# KiCad board N2360.kicad_pcb
title: Amiga N2630; date: 2023-11-05; rev: 4.0.1b
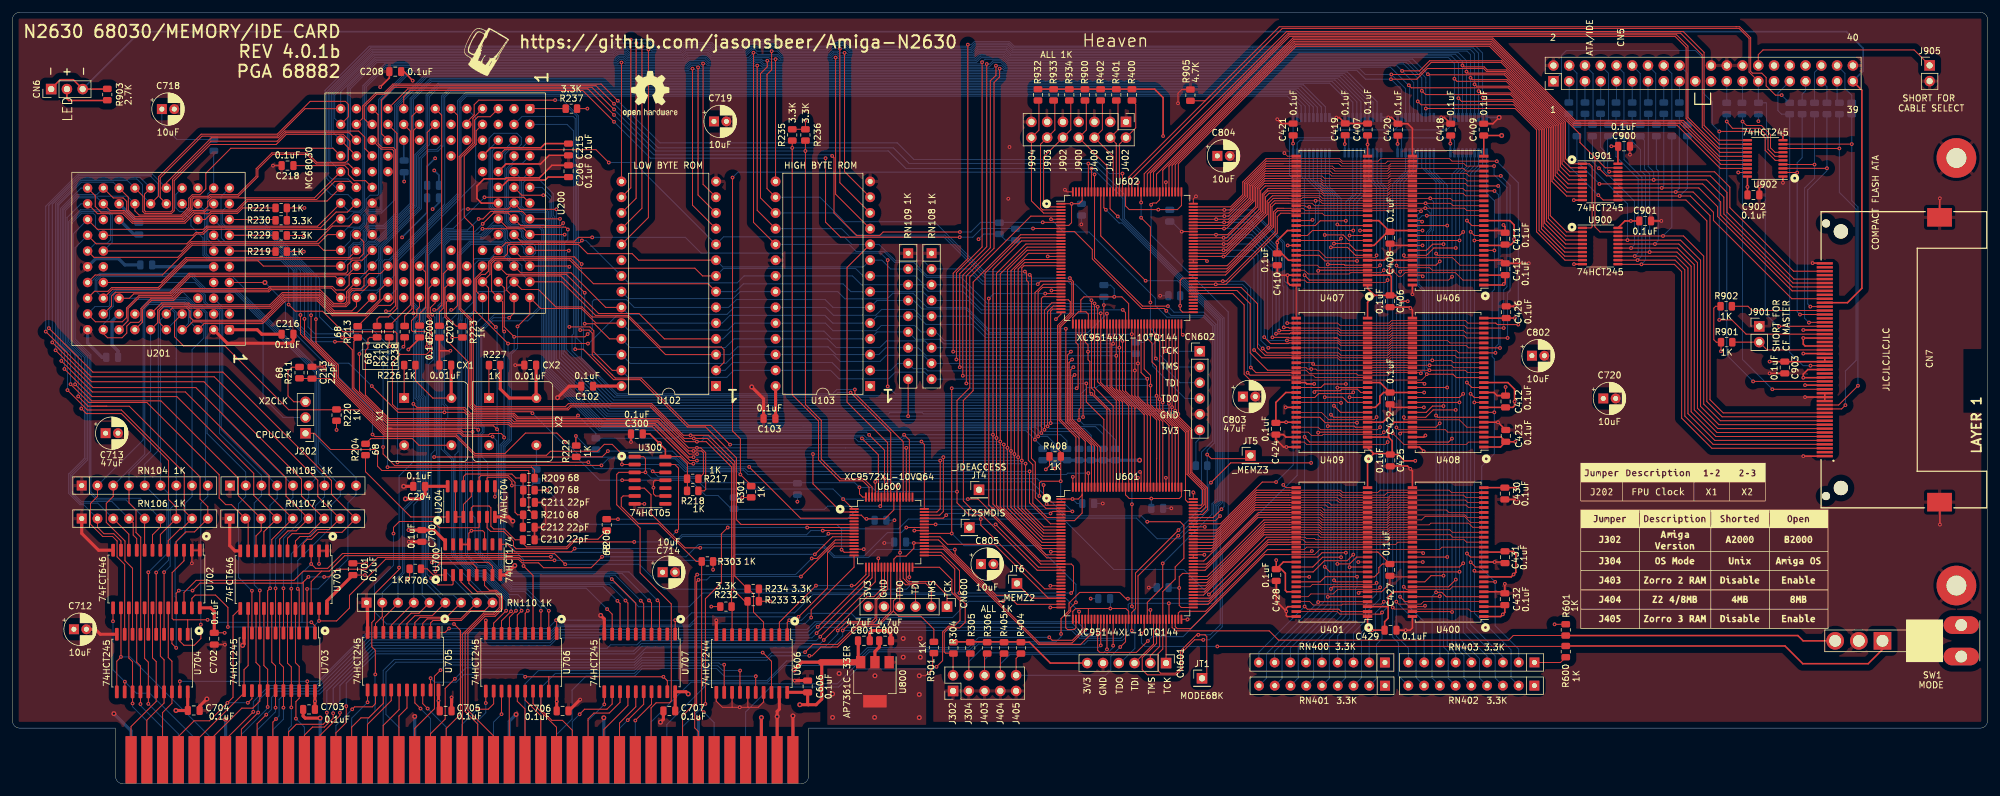
[diagram p0: board, top side]
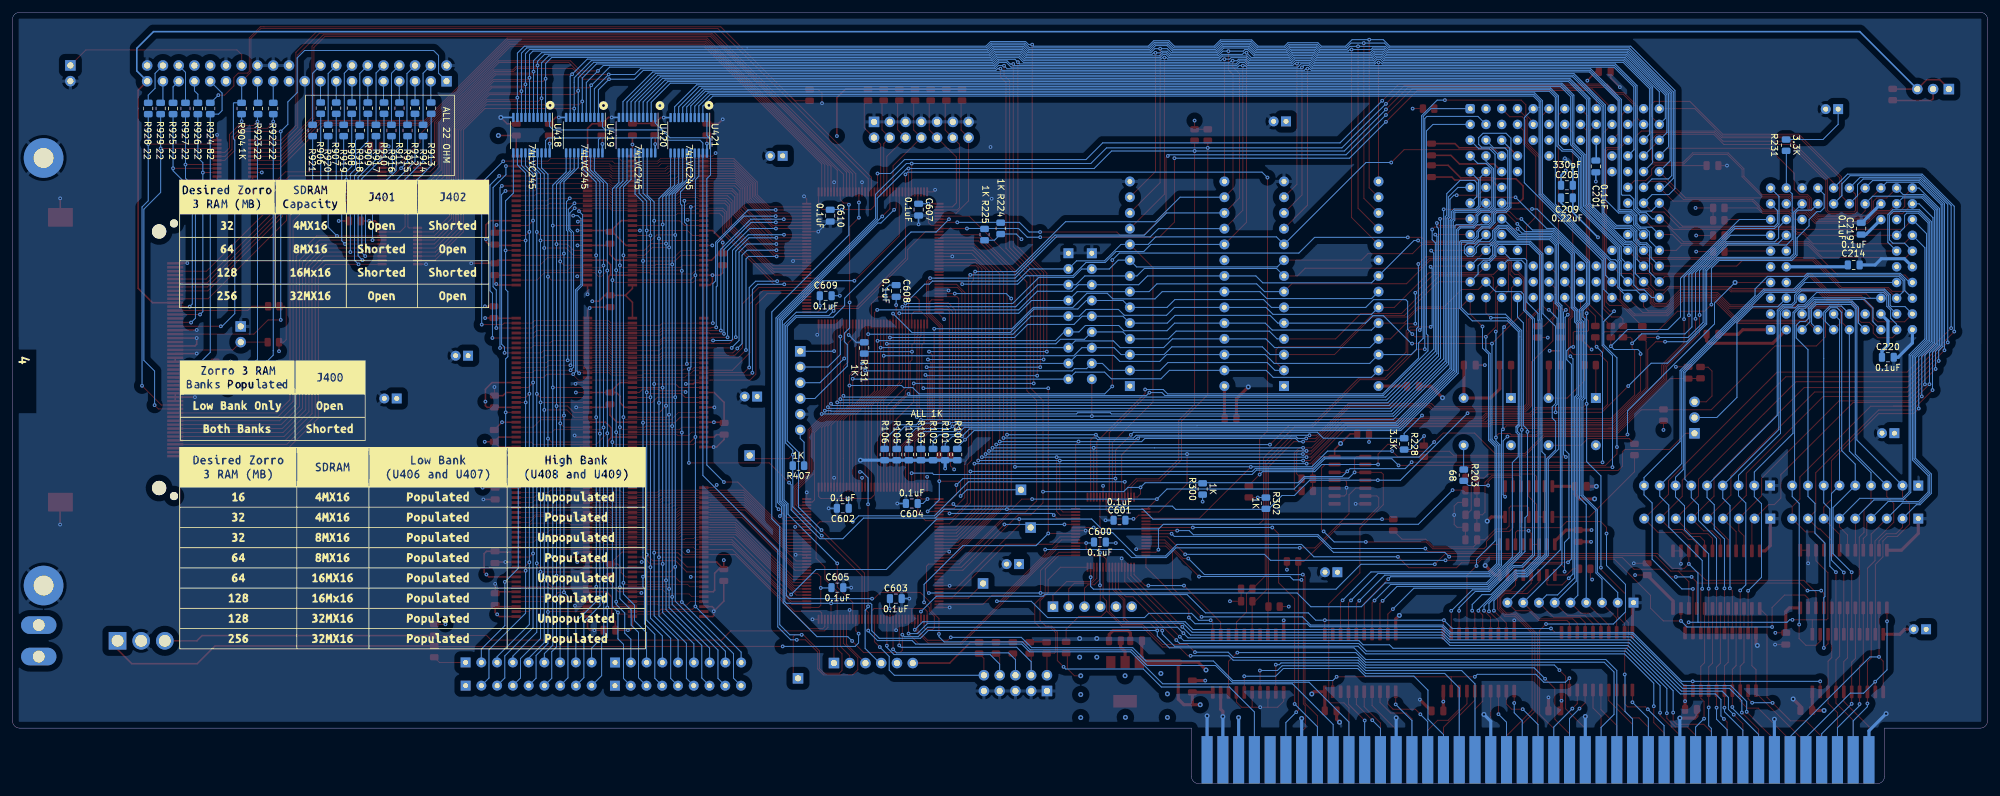
[diagram p1: board, bottom side, seen from below]

Outline 318.37 x 124.46 mm; copper layers: Top, In1.Cu, In2.Cu, Bottom. Coordinates in mm from the lower left corner of the outline.
Outline path: 0,123.32 0.02,10.1 arc(0.35,9.29) 1.16,8.96 16.63,8.96 16.63,1.14 arc(16.96,0.33) 17.77,0 127.17,0 arc(127.98,0.33) 128.31,1.14 128.31,8.96 317.21,8.96 arc(318.01,9.29) 318.35,10.1 318.37,123.32 arc(318.03,124.12) 317.23,124.46 1.14,124.46 arc(0.33,124.12) 0,123.32
Stack: Top 0.035mm / dielectric 0.48mm FR4 er 4.5 / In1.Cu 0.035mm / dielectric 0.48mm FR4 er 4.5 / In2.Cu 0.035mm / dielectric 0.48mm FR4 er 4.5 / Bottom 0.035mm

## Placement (name value [footprint] x y rotation side)
C102  0.1uF  [C_0805_2012Metric]  92.63 64.13 180 top
C103  0.1uF  [C_0805_2012Metric]  122.02 58.9 180 top
C200  0.1uF  [C_0805_2012Metric]  65.63 72.95 270 top
C201  0.1uF  [C_0805_2012Metric]  63.14 99.6 90 bottom
C202  0.1uF  [C_0805_2012Metric]  68.83 72.92 270 top
C204  0.1uF  [C_0805_2012Metric]  65.55 47.97 180 top
C205  330pF  [C_0805_2012Metric]  67.8 96.56 180 bottom
C206  0.1uF  [C_0805_2012Metric]  89.63 102.33 270 top
C208  0.1uF  [C_0805_2012Metric]  61.7 114.9 180 top
C209  0.22uF  [C_0805_2012Metric]  67.8 94.52 180 bottom
C210  22pF  [C_0805_2012Metric]  83.22 39.34 0 top
C211  22pF  [C_0805_2012Metric]  83.26 45.38 0 top
C212  22pF  [C_0805_2012Metric]  83.22 41.37 0 top
C213  22pF  [C_0805_2012Metric]  48.29 66.31 90 top
C214  0.1uF  [C_0805_2012Metric]  21.57 83.7 180 bottom
C215  0.1uF  [C_0805_2012Metric]  89.64 98.83 90 top
C216  0.1uF  [C_0805_2012Metric]  44.34 72.52 0 top
C218  0.1uF  [C_0805_2012Metric]  44.35 99.74 180 top
C219  0.1uF  [C_0805_2012Metric]  20.37 89.55 90 bottom
C220  0.1uF  [C_0805_2012Metric]  16.07 68.8 180 bottom
C300  0.1uF  [C_0805_2012Metric]  100.66 56.44 180 top
C406  0.1uF  [C_0805_2012Metric]  222.05 77.84 270 top
C407  0.1uF  [C_0805_2012Metric]  218.43 105.57 90 top
C408  0.1uF  [C_0805_2012Metric]  222.05 88.09 270 top
C409  0.1uF  [C_0805_2012Metric]  237.15 105.54 90 top
C410  0.1uF  [C_0805_2012Metric]  203.88 84.61 270 top
C411  0.1uF  [C_0805_2012Metric]  240.6 87.94 90 top
C412  0.1uF  [C_0805_2012Metric]  240.68 61.67 90 top
C413  0.1uF  [C_0805_2012Metric]  240.63 83.02 90 top
C418  0.1uF  [C_0805_2012Metric]  231.83 105.54 90 top
C419  0.1uF  [C_0805_2012Metric]  214.83 105.59 90 top
C420  0.1uF  [C_0805_2012Metric]  223.33 105.54 90 top
C421  0.1uF  [C_0805_2012Metric]  206.43 105.57 90 top
C422  0.1uF  [C_0805_2012Metric]  222.05 62.17 270 top
C423  0.1uF  [C_0805_2012Metric]  240.7 56.12 90 top
C424  0.1uF  [C_0805_2012Metric]  203.65 57.27 270 top
C425  0.1uF  [C_0805_2012Metric]  222.08 52.16 270 top
C426  0.1uF  [C_0805_2012Metric]  240.77 76.08 90 top
C427  0.1uF  [C_0805_2012Metric]  222.03 34.49 270 top
C428  0.1uF  [C_0805_2012Metric]  203.71 33.66 270 top
C429  0.1uF  [C_0805_2012Metric]  222.13 24.76 0 top
C430  0.1uF  [C_0805_2012Metric]  240.56 46.81 270 top
C431  0.1uF  [C_0805_2012Metric]  240.58 36.54 270 top
C432  0.1uF  [C_0805_2012Metric]  240.56 29.76 90 top
C600  0.1uF  [C_0805_2012Metric]  143.08 38.98 180 bottom
C601  0.1uF  [C_0805_2012Metric]  139.92 42.5 0 bottom
C602  0.1uF  [C_0805_2012Metric]  184.52 44.43 0 bottom
C603  0.1uF  [C_0805_2012Metric]  175.97 29.85 180 bottom
C604  0.1uF  [C_0805_2012Metric]  173.4 45.2 0 bottom
C605  0.1uF  [C_0805_2012Metric]  185.4 31.63 180 bottom
C606  0.1uF  [C_0805_2012Metric]  128.18 15.68 90 top
C607  0.1uF  [C_0805_2012Metric]  172.3 92.63 270 bottom
C608  0.1uF  [C_0805_2012Metric]  175.92 79.5 270 bottom
C609  0.1uF  [C_0805_2012Metric]  187.27 78.73 180 bottom
C610  0.1uF  [C_0805_2012Metric]  186.55 91.65 270 bottom
C700  0.1uF  [C_0805_2012Metric]  65.99 39.97 270 top
C701  0.1uF  [C_0805_2012Metric]  54.87 34.6 90 top
C702  0.1uF  [C_0805_2012Metric]  32.53 23.38 270 top
C703  0.1uF  [C_0805_2012Metric]  47.81 11.97 180 top
C704  0.1uF  [C_0805_2012Metric]  29.23 11.8 0 top
C705  0.1uF  [C_0805_2012Metric]  69.83 11.74 0 top
C706  0.1uF  [C_0805_2012Metric]  88.68 11.74 0 top
C707  0.1uF  [C_0805_2012Metric]  105.88 11.74 180 top
C712  10uF  [CP_Radial_D5.0mm_P2.00mm]  9.92 24.91 0 top
C713  47uF  [CP_Radial_D5.0mm_P2.00mm]  15.02 56.55 0 top
C714  10uF  [CP_Radial_D5.0mm_P2.00mm]  104.8 34.11 0 top
C718  10uF  [CP_Radial_D5.0mm_P2.00mm]  24.09 108.85 0 top
C719  10uF  [CP_Radial_D5.0mm_P2.00mm]  113.08 106.86 0 top
C720  10uF  [CP_Radial_D5.0mm_P2.00mm]  256.42 62.15 0 top
C800  4.7uF  [C_0805_2012Metric]  140.66 23.06 0 top
C801  4.7uF  [C_0805_2012Metric]  137.25 23.06 0 top
C802  10uF  [CP_Radial_D5.0mm_P2.00mm]  244.92 69.05 0 top
C803  47uF  [CP_Radial_D5.0mm_P2.00mm]  198.33 62.46 0 top
C804  10uF  [CP_Radial_D5.0mm_P2.00mm]  194.22 101.3 0 top
C805  10uF  [CP_Radial_D5.0mm_P2.00mm]  156.12 35.42 0 top
C900  0.1uF  [C_0805_2012Metric]  259.77 102.85 0 top
C901  0.1uF  [C_0805_2012Metric]  263.17 90.8 0 top
C902  0.1uF  [C_0805_2012Metric]  280.62 95 0 top
C903  0.1uF  [C_0805_2012Metric]  285.67 67.15 270 top
CJ1  CONFIG  [PinHeader_2x05_P2.54mm_Vertical]  151.62 14.95 90 top
CJ2  CONFIG  [PinHeader_2x07_P2.54mm_Vertical]  179.49 106.79 270 top
CN5  ATA/IDE  [ATA_Header_2x20_P2.54mm]  248.39 113.35 90 top
CN6  LED  [PinHeader_1x03_P2.54mm_Vertical]  6.25 112.08 90 top
CN7  COMPACT FLASH ATA  [COMPACT-FLASH-SLOT]  304.87 68.4 270 top
CN600  CPLD0  [PinHeader_1x06_P2.54mm_Vertical]  150.65 28.55 270 top
CN601  CPLD1  [PinHeader_1x06_P2.54mm_Vertical]  185.95 19.45 270 top
CN602  CPLD2  [PinHeader_1x06_P2.54mm_Vertical]  191.38 69.77 0 top
CN700  Amiga-2000-CPU-Slot  [A2000_CPUSLOT_MALE]  125.8 3.85 0 top
CX1  0.01uF  [C_0805_2012Metric]  69.77 67.54 180 top
CX2  0.01uF  [C_0805_2012Metric]  83.46 67.54 180 top
G***  LOGO  [Jumper1]  272.72 34.6 0 top
G***#2  LOGO  [Jumper2]  267.67 48.7 0 top
G***#3  LOGO  [Mug]  75.85 118.53 0 top
G***#4  LOGO  [RAMCONFIG]  253.87 38 180 bottom
G***#5  LOGO  [Z3RAM-JUMPER]  266.57 87.1 180 bottom
G***#6  LOGO  [BANKCONFIG]  276.47 61.8 180 bottom
H1  MountingHole  [MountingHole_3.2mm_M3_Pad]  313.34 100.96 0 top
H2  MountingHole  [MountingHole_3.2mm_M3_Pad]  313.34 31.96 0 top
J202  25/FPU  [PinHeader_1x03_P2.54mm_Vertical]  47.24 56.53 180 top
J901  CF SEL  [PinHeader_1x02_P2.54mm_Vertical]  281.57 73.78 0 top
J905  CABLE SELECT  [PinHeader_1x02_P2.54mm_Vertical]  309.02 115.9 0 top
JT1  MODE68K  [PinHeader_1x01_P2.54mm_Vertical]  191.74 16.99 0 top
JT2  SMDIS  [PinHeader_1x01_P2.54mm_Vertical]  154.24 41.32 0 top
JT4  _IDEACCESS  [PinHeader_1x01_P2.54mm_Vertical]  155.8 47.41 0 top
JT5  _MEMZ3  [PinHeader_1x01_P2.54mm_Vertical]  199.54 52.94 0 top
JT6  _MEMZ2  [PinHeader_1x01_P2.54mm_Vertical]  161.91 32.3 0 top
R100  1K  [R_0805_2012Metric]  166.07 53.1 270 bottom
R101  1K  [R_0805_2012Metric]  168.02 53.1 270 bottom
R102  1K  [R_0805_2012Metric]  169.97 53.1 270 bottom
R103  1K  [R_0805_2012Metric]  171.92 53.1 270 bottom
R104  1K  [R_0805_2012Metric]  173.87 53.1 270 bottom
R105  1K  [R_0805_2012Metric]  175.82 53.1 270 bottom
R106  1K  [R_0805_2012Metric]  177.77 53.1 270 bottom
R131  1K  [R_0805_2012Metric]  181.07 70.3 90 bottom
R203  68  [R_0805_2012Metric]  84.43 49.77 90 bottom
R204  68  [R_0805_2012Metric]  56.92 53.92 90 top
R206  68  [R_0805_2012Metric]  95.79 41.76 90 top
R207  68  [R_0805_2012Metric]  83.26 47.36 180 top
R209  68  [R_0805_2012Metric]  83.26 49.32 180 top
R210  68  [R_0805_2012Metric]  83.23 43.38 180 top
R211  68  [R_0805_2012Metric]  46.27 66.32 270 top
R212  68  [R_0805_2012Metric]  60.73 72.94 90 top
R213  68  [R_0805_2012Metric]  55.66 72.91 90 top
R216  68  [R_0805_2012Metric]  58.78 72.94 270 top
R217  1K  [R_0805_2012Metric]  109.65 49.2 180 top
R218  1K  [R_0805_2012Metric]  109.65 47.24 180 top
R219  1K  [R_0805_2012Metric]  43.32 85.85 0 top
R220  1K  [R_0805_2012Metric]  52.24 59.47 270 top
R221  1K  [R_0805_2012Metric]  43.32 92.9 180 top
R222  1K  [R_0805_2012Metric]  90.88 53.64 90 top
R223  1K  [R_0805_2012Metric]  72.53 72.9 270 top
R224  1K  [R_0805_2012Metric]  159.07 89.6 270 bottom
R225  1K  [R_0805_2012Metric]  161.67 88.6 270 bottom
R226  1K  [R_0805_2012Metric]  64.06 67.54 180 top
R227  1K  [R_0805_2012Metric]  77.72 67.54 180 top
R228  3.3K  [R_0805_2012Metric]  94.04 54.82 270 bottom
R229  3.3K  [R_0805_2012Metric]  43.32 88.45 0 top
R230  3.3K  [R_0805_2012Metric]  43.32 90.9 0 top
R231  3.3K  [R_0805_2012Metric]  32.47 103.03 90 bottom
R232  3.3K  [R_0805_2012Metric]  115 28.56 180 top
R233  3.3K  [R_0805_2012Metric]  119.41 29.43 0 top
R234  3.3K  [R_0805_2012Metric]  119.41 31.43 0 top
R235  3.3K  [R_0805_2012Metric]  125.69 104.68 90 top
R236  3.3K  [R_0805_2012Metric]  127.82 104.68 90 top
R237  3.3K  [R_0805_2012Metric]  90.1 108.93 0 top
R238  68  [R_0805_2012Metric]  63.22 72.94 90 top
R300  1K  [R_0805_2012Metric]  126.52 47.55 90 bottom
R301  1K  [R_0805_2012Metric]  119.07 47.1 90 top
R302  1K  [R_0805_2012Metric]  116.32 45.25 270 bottom
R303  1K  [R_0805_2012Metric]  112.02 35.85 180 top
R304  1K  [R_0805_2012Metric]  151.67 21.9 270 top
R305  1K  [R_0805_2012Metric]  154.39 21.9 270 top
R306  1K  [R_0805_2012Metric]  157.11 21.9 270 top
R400  1K  [R_0805_2012Metric]  180.45 111.15 270 top
R401  1K  [R_0805_2012Metric]  177.93 111.15 270 top
R402  1K  [R_0805_2012Metric]  175.4 111.15 270 top
R404  1K  [R_0805_2012Metric]  162.55 21.9 270 top
R405  1K  [R_0805_2012Metric]  159.83 21.9 270 top
R407  1K  [R_0805_2012Metric]  191.67 51.3 0 bottom
R408  1K  [R_0805_2012Metric]  168.07 52.8 0 top
R501  1K  [R_0805_2012Metric]  148.52 21.96 90 top
R600  1K  [R_0805_2012Metric]  250.37 21.3 90 top
R601  1K  [R_0805_2012Metric]  250.37 24.8 270 top
R706  1K  [R_0805_2012Metric]  64.94 34.66 0 top
R900  1K  [R_0805_2012Metric]  172.88 111.15 270 top
R901  1K  [R_0805_2012Metric]  276.31 71.24 0 top
R902  1K  [R_0805_2012Metric]  276.24 77.04 0 top
R903  2.7K  [R_0805_2012Metric]  15.29 111.2 90 top
R904  1K  [R_0805_2012Metric]  281.42 108.95 90 bottom
R905  4.7K  [R_0805_2012Metric]  189.87 111.1 270 top
R906  22  [R_0805_2012Metric]  268.67 109 90 bottom
R907  22  [R_0805_2012Metric]  266.17 109 90 bottom
R908  22  [R_0805_2012Metric]  263.67 109 90 bottom
R909  22  [R_0805_2012Metric]  261.07 109 90 bottom
R910  22  [R_0805_2012Metric]  258.47 109 90 bottom
R911  22  [R_0805_2012Metric]  255.97 109 90 bottom
R912  22  [R_0805_2012Metric]  253.47 109 90 bottom
R913  22  [R_0805_2012Metric]  250.87 109 90 bottom
R914  22  [R_0805_2012Metric]  252.17 105.4 270 bottom
R915  22  [R_0805_2012Metric]  254.67 105.4 270 bottom
R916  22  [R_0805_2012Metric]  257.27 105.4 270 bottom
R917  22  [R_0805_2012Metric]  259.77 105.4 270 bottom
R918  22  [R_0805_2012Metric]  262.37 105.4 270 bottom
R919  22  [R_0805_2012Metric]  264.97 105.4 270 bottom
R920  22  [R_0805_2012Metric]  267.47 105.4 270 bottom
R921  22  [R_0805_2012Metric]  269.97 105.4 270 bottom
R922  22  [R_0805_2012Metric]  276.32 108.95 90 bottom
R923  22  [R_0805_2012Metric]  278.77 108.95 90 bottom
R924  82  [R_0805_2012Metric]  286.47 108.95 270 bottom
R925  22  [R_0805_2012Metric]  292.47 108.95 90 bottom
R926  22  [R_0805_2012Metric]  288.47 108.95 90 bottom
R927  22  [R_0805_2012Metric]  290.47 108.95 270 bottom
R928  22  [R_0805_2012Metric]  294.47 108.95 90 bottom
R929  22  [R_0805_2012Metric]  296.47 108.95 270 bottom
R932  1K  [R_0805_2012Metric]  165.3 111.15 270 top
R933  1K  [R_0805_2012Metric]  167.83 111.15 270 top
R934  1K  [R_0805_2012Metric]  170.35 111.15 270 top
REF**  -  [OSHW-Logo2_9.8x8mm_SilkScreen]  102.79 111.29 0 top
RN104  1K  [R_Array_SIP9]  11.17 48.1 0 top
RN105  1K  [R_Array_SIP9]  35.06 48.1 0 top
RN106  1K  [R_Array_SIP9]  11.17 42.77 0 top
RN107  1K  [R_Array_SIP9]  35.02 42.77 0 top
RN108  1K  [R_Array_SIP9]  148.15 85.59 270 top
RN109  1K  [R_Array_SIP9]  144.38 85.59 270 top
RN110  1K  [R_Array_SIP9]  57.07 29.2 0 top
RN400  3.3K  [R_Array_SIP9]  221.23 19.54 180 top
RN401  3.3K  [R_Array_SIP9]  221.25 15.8 180 top
RN402  3.3K  [R_Array_SIP9]  245.32 15.81 180 top
RN403  3.3K  [R_Array_SIP9]  245.33 19.55 180 top
SW1  MODE  [100SP1T1B1M7QE]  314.12 23.04 180 top
U102  27C256  [DIP-28_W15.24mm]  113.41 64.15 180 top
U103  27C256  [DIP-28_W15.24mm]  138.25 64.15 180 top
U200  MC68030  [MC68030-PGA]  68.15 93.68 90 top
U201  MC68882  [MC68882-PGA]  23.55 84.68 0 top
U204  74AHCT04  [SOIC-14_3.9x8.7mm_P1.27mm]  73.96 45.51 90 top
U300  74HCT05  [SOIC-14_3.9x8.7mm_P1.27mm]  102.77 48.95 0 top
U400  SDRAM(4Mx16)  [TSOP-II-54_22.2x10.16mm_P0.8mm]  231.41 37.36 180 top
U401  SDRAM(4Mx16)  [TSOP-II-54_22.2x10.16mm_P0.8mm]  212.68 37.36 180 top
U406  SDRAM(16Mx16)  [TSOP-II-54_22.2x10.16mm_P0.8mm]  231.41 90.86 180 top
U407  SDRAM(16Mx16)  [TSOP-II-54_22.2x10.16mm_P0.8mm]  212.68 90.86 180 top
U408  SDRAM(16Mx16)  [TSOP-II-54_22.2x10.16mm_P0.8mm]  231.41 64.72 180 top
U409  SDRAM(16Mx16)  [TSOP-II-54_22.2x10.16mm_P0.8mm]  212.68 64.72 180 top
U418  74LVC245  [TSSOP-20_4.4x6.5mm_P0.65mm]  234.7 104.65 270 bottom
U419  74LVC245  [TSSOP-20_4.4x6.5mm_P0.65mm]  226.19 104.65 270 bottom
U420  74LVC245  [TSSOP-20_4.4x6.5mm_P0.65mm]  217.68 104.65 270 bottom
U421  74LVC245  [TSSOP-20_4.4x6.5mm_P0.65mm]  209.35 104.62 270 bottom
U600  XC9572XL-10VQ64  [TQFP-64_10x10mm_P0.5mm]  141.32 40.58 0 top
U601  XC95144XL-10TQ144  [TQFP-144_20x20mm_P0.5mm]  179.67 37.18 0 top
U602  XC95144XL-10TQ144  [TQFP-144_20x20mm_P0.5mm]  179.67 84.83 0 top
U606  74HCT244  [SOIC-20W_7.5x12.8mm_P1.27mm]  119.17 19.37 270 top
U700  74HCT174  [SOIC-16_3.9x9.9mm_P1.27mm]  74.2 36.14 90 top
U701  74FCT646  [SOIC-24W_7.5x15.4mm_P1.27mm]  43.71 32.91 270 top
U702  74FCT646  [SOIC-24W_7.5x15.4mm_P1.27mm]  23.21 33.01 270 top
U703  74HCT245  [SOIC-20W_7.5x12.8mm_P1.27mm]  43.05 19.65 270 top
U704  74HCT245  [SOIC-20W_7.5x12.8mm_P1.27mm]  22.54 19.45 270 top
U705  74HCT245  [SOIC-20W_7.5x12.8mm_P1.27mm]  62.96 19.75 270 top
U706  74HCT245  [SOIC-20W_7.5x12.8mm_P1.27mm]  82.01 19.58 270 top
U707  74HCT245  [SOIC-20W_7.5x12.8mm_P1.27mm]  101.11 19.48 270 top
U800  AP7361C-33ER  [SOT-223-3_TabPin2]  139.02 16.44 270 top
U900  74HCT245  [TSSOP-20_4.4x6.5mm_P0.65mm]  255.92 86.75 0 top
U901  74HCT245  [TSSOP-20_4.4x6.5mm_P0.65mm]  255.92 97.1 0 top
U902  74HCT245  [TSSOP-20_4.4x6.5mm_P0.65mm]  282.52 100.9 180 top
X1  25MHz  [Oscillator_DIP-8]  63.14 62.22 270 top
X2  50MHz  [Oscillator_DIP-8]  76.83 62.22 270 top

## Library data of the parts
CN7 = -: DATASHEET-URL: https://www.we-online.com/catalog/datasheet/693120035011.pdf; GERDER: Socket; IR: 0.5A; MOUNT: SMT; PART-NUMBER: 693120035011; PINS: 50; TYPE: Shrouded; WORKING-VOLTAGE: 100V(AC)
SW1 = -: PART: 100SP1T1B1M7QE
U204 = -: Digikey: 296-31832-1-ND
U701 U702 = -: Digikey: 296-33244-5-ND
X1 X2 = -: Digikey: 535-9175-5-ND

## Footprints (pads in the part's own frame, mm; a bottom-side part is the same pattern mirrored in y, then rotated)
100SP1T1B1M7QE
  rect 2.85x2.85 hole 1.9: 1(12.7,0)
  round 2.85 hole 1.9: 2(16.51,0) 3(20.32,0)
  oval 5.7x2.85 hole 1.9: 4(0,2.54) 5(0,-2.54)
A2000_CPUSLOT_MALE
  rect 1.78x7.62 smd far side: 1(0,0) 3(-2.54,0) 5(-5.08,0) 7(-7.62,0) 9(-10.16,0) 11(-12.7,0) 13(-15.24,0) 15(-17.78,0) 17(-20.32,0) 19(-22.86,0) 21(-25.4,0) 23(-27.94,0) 25(-30.48,0) 27(-33.02,0) 29(-35.56,0) 31(-38.1,0) 33(-40.64,0) 35(-43.18,0) 37(-45.72,0) 39(-48.26,0) 41(-50.8,0) 43(-53.34,0) 45(-55.88,0) 47(-58.42,0) 49(-60.96,0) 51(-63.5,0) 53(-66.04,0) 55(-68.58,0) 57(-71.12,0) 59(-73.66,0) 61(-76.2,0) 63(-78.74,0) 65(-81.28,0) 67(-83.82,0) 69(-86.36,0) 71(-88.9,0) 73(-91.44,0) 75(-93.98,0) 77(-96.52,0) 79(-99.06,0) 81(-101.6,0) 83(-104.14,0) 85(-106.68,0)
  rect 1.78x7.62 smd: 2(0,0) 4(-2.54,0) 6(-5.08,0) 8(-7.62,0) 10(-10.16,0) 12(-12.7,0) 14(-15.24,0) 16(-17.78,0) 18(-20.32,0) 20(-22.86,0) 22(-25.4,0) 24(-27.94,0) 26(-30.48,0) 28(-33.02,0) 30(-35.56,0) 32(-38.1,0) 34(-40.64,0) 36(-43.18,0) 38(-45.72,0) 40(-48.26,0) 42(-50.8,0) 44(-53.34,0) 46(-55.88,0) 48(-58.42,0) 50(-60.96,0) 52(-63.5,0) 54(-66.04,0) 56(-68.58,0) 58(-71.12,0) 60(-73.66,0) 62(-76.2,0) 64(-78.74,0) 66(-81.28,0) 68(-83.82,0) 70(-86.36,0) 72(-88.9,0) 74(-91.44,0) 76(-93.98,0) 78(-96.52,0) 80(-99.06,0) 82(-101.6,0) 84(-104.14,0) 86(-106.68,0)
ATA_Header_2x20_P2.54mm
  rect 1.7x1.7 hole 1: 1(0,0)
  oval 1.7x1.7 hole 1: 2(2.54,0) 3(0,-2.54) 4(2.54,-2.54) 5(0,-5.08) 6(2.54,-5.08) 7(0,-7.62) 8(2.54,-7.62) 9(0,-10.16) 10(2.54,-10.16) 11(0,-12.7) 12(2.54,-12.7) 13(0,-15.24) 14(2.54,-15.24) 15(0,-17.78) 16(2.54,-17.78) 17(0,-20.32) 18(2.54,-20.32) 19(0,-22.86) 21(0,-25.4) 22(2.54,-25.4) 23(0,-27.94) 24(2.54,-27.94) 25(0,-30.48) 26(2.54,-30.48) 27(0,-33.02) 28(2.54,-33.02) 29(0,-35.56) 30(2.54,-35.56) 31(0,-38.1) 32(2.54,-38.1) 33(0,-40.64) 34(2.54,-40.64) 35(0,-43.18) 36(2.54,-43.18) 37(0,-45.72) 38(2.54,-45.72) 39(0,-48.26) 40(2.54,-48.26)
C_0805_2012Metric
  rrect 1x1.45 smd: 1(-0.95,0) 2(0.95,0)
COMPACT-FLASH-SLOT
  round 1.3 hole 1.3 unplated: (-22,-12.55) (22,-12.55)
  round 2.3 hole 2.3 unplated: (-20.7,-10.15) (20.7,-10.15)
  rect 0.4x2.6 smd: 1(15.557,-12.75) 2(14.287,-12.75) 3(13.018,-12.75) 4(11.748,-12.75) 5(10.477,-12.75) 6(9.207,-12.75) 7(7.938,-12.75) 8(6.668,-12.75) 9(5.397,-12.75) 10(4.128,-12.75) 11(2.857,-12.75) 12(1.587,-12.75) 13(0.318,-12.75) 14(-0.953,-12.75) 15(-2.223,-12.75) 16(-3.493,-12.75) 17(-4.763,-12.75) 18(-6.032,-12.75) 19(-7.303,-12.75) 20(-8.572,-12.75) 21(-9.842,-12.75) 22(-11.113,-12.75) 23(-12.383,-12.75) 24(-13.652,-12.75) 25(-14.922,-12.75) 26(14.922,-12.75) 27(13.652,-12.75) 28(12.383,-12.75) 29(11.113,-12.75) 30(9.842,-12.75) 31(8.572,-12.75) 32(7.303,-12.75) 33(6.032,-12.75) 34(4.763,-12.75) 35(3.493,-12.75) 36(2.223,-12.75) 37(0.953,-12.75) 38(-0.318,-12.75) 39(-1.587,-12.75) 40(-2.857,-12.75) 41(-4.128,-12.75) 42(-5.397,-12.75) 43(-6.668,-12.75) 44(-7.938,-12.75) 45(-9.207,-12.75) 46(-10.477,-12.75) 47(-11.748,-12.75) 48(-13.018,-12.75) 49(-14.287,-12.75) 50(-15.557,-12.75)
  rect 3x4 smd: Z1(-22.98,5.75) Z2(22.98,5.75)
CP_Radial_D5.0mm_P2.00mm
  rect 1.6x1.6 hole 0.8: 1(0,0)
  round 1.6 hole 0.8: 2(2,0)
DIP-28_W15.24mm
  rect 1.6x1.6 hole 0.8: 1(0,0)
  oval 1.6x1.6 hole 0.8: 2(0,-2.54) 3(0,-5.08) 4(0,-7.62) 5(0,-10.16) 6(0,-12.7) 7(0,-15.24) 8(0,-17.78) 9(0,-20.32) 10(0,-22.86) 11(0,-25.4) 12(0,-27.94) 13(0,-30.48) 14(0,-33.02) 15(15.24,-33.02) 16(15.24,-30.48) 17(15.24,-27.94) 18(15.24,-25.4) 19(15.24,-22.86) 20(15.24,-20.32) 21(15.24,-17.78) 22(15.24,-15.24) 23(15.24,-12.7) 24(15.24,-10.16) 25(15.24,-7.62) 26(15.24,-5.08) 27(15.24,-2.54) 28(15.24,0)
MC68030-PGA
  rrect 1.524x1.524 hole 0.762: 1(15.24,-15.24)
  round 1.524 hole 0.762: 2(12.7,-15.24) 3(10.16,-15.24) 4(7.62,-15.24) 5(5.08,-15.24) 6(2.54,-15.24) 7(0,-15.24) 8(-2.54,-15.24) 9(-5.08,-15.24) 10(-7.62,-15.24) 11(-10.16,-15.24) 12(-12.7,-15.24) 13(-15.24,-15.24) 14(15.24,-12.7) 15(12.7,-12.7) 16(10.16,-12.7) 17(7.62,-12.7) 18(5.08,-12.7) 19(2.54,-12.7) 20(0,-12.7) 21(-2.54,-12.7) 22(-5.08,-12.7) 23(-7.62,-12.7) 24(-10.16,-12.7) 25(-12.7,-12.7) 26(-15.24,-12.7) 27(15.24,-10.16) 28(12.7,-10.16) 29(10.16,-10.16) 30(7.62,-10.16) 31(5.08,-10.16) 32(2.54,-10.16) 33(0,-10.16) 34(-2.54,-10.16) 35(-5.08,-10.16) 36(-7.62,-10.16) 37(-10.16,-10.16) 38(-12.7,-10.16) 39(-15.24,-10.16) 40(15.24,-7.62) 41(12.7,-7.62) 42(10.16,-7.62) 43(7.62,-7.62) 44(5.08,-7.62) 45(-7.62,-7.62) 46(-10.16,-7.62) 47(-12.7,-7.62) 48(-15.24,-7.62) 49(15.24,-5.08) 50(12.7,-5.08) 51(10.16,-5.08) 52(-10.16,-5.08) 53(-12.7,-5.08) 54(-15.24,-5.08) 55(15.24,-2.54) 56(12.7,-2.54) 57(10.16,-2.54) 58(7.62,-2.54) 59(-7.62,-2.54) 60(-10.16,-2.54) 61(-12.7,-2.54) 62(-15.24,-2.54) 63(15.24,0) 64(12.7,0) 65(10.16,0) 66(-10.16,0) 67(-12.7,0) 68(-15.24,0) 69(15.24,2.54) 70(12.7,2.54) 71(10.16,2.54) 72(-10.16,2.54) 73(-12.7,2.54) 74(-15.24,2.54) 75(15.24,5.08) 76(12.7,5.08) 77(10.16,5.08) 78(-10.16,5.08) 79(-12.7,5.08) 80(-15.24,5.08) 81(15.24,7.62) 82(12.7,7.62) 83(10.16,7.62) 84(7.62,7.62) 85(5.08,7.62) 86(-7.62,7.62) 87(-10.16,7.62) 88(-12.7,7.62) 89(-15.24,7.62) 90(15.24,10.16) 91(12.7,10.16) 92(10.16,10.16) 93(7.62,10.16) 94(5.08,10.16) 95(2.54,10.16) 96(0,10.16) 97(-2.54,10.16) 98(-5.08,10.16) 99(-7.62,10.16) 100(-10.16,10.16) 101(-12.7,10.16) 102(-15.24,10.16) 103(15.24,12.7) 104(12.7,12.7) 105(10.16,12.7) 106(7.62,12.7) 107(5.08,12.7) 108(2.54,12.7) 109(0,12.7) 110(-2.54,12.7) 111(-5.08,12.7) 112(-7.62,12.7) 113(-10.16,12.7) 114(-12.7,12.7) 115(-15.24,12.7) 116(15.24,15.24) 117(12.7,15.24) 118(10.16,15.24) 119(7.62,15.24) 120(5.08,15.24) 121(2.54,15.24) 122(0,15.24) 123(-2.54,15.24) 124(-5.08,15.24) 125(-7.62,15.24) 126(-10.16,15.24) 127(-12.7,15.24) 128(-15.24,15.24)
MC68882-PGA
  rrect 1.524x1.524 hole 0.762: 1(11.43,-11.43)
  round 1.524 hole 0.762: 2(8.89,-11.43) 3(6.35,-11.43) 4(3.81,-11.43) 5(1.27,-11.43) 6(-1.27,-11.43) 7(-3.81,-11.43) 8(-6.35,-11.43) 9(-8.89,-11.43) 10(-11.43,-11.43) 11(11.43,-8.89) 12(8.89,-8.89) 13(6.35,-8.89) 14(3.81,-8.89) 15(1.27,-8.89) 16(-1.27,-8.89) 17(-3.81,-8.89) 18(-6.35,-8.89) 19(-8.89,-8.89) 20(-11.43,-8.89) 21(11.43,-6.35) 22(8.89,-6.35) 23(6.35,-6.35) 24(-6.35,-6.35) 25(-8.89,-6.35) 26(-11.43,-6.35) 27(11.43,-3.81) 28(8.89,-3.81) 29(-8.89,-3.81) 30(-11.43,-3.81) 31(11.43,-1.27) 32(8.89,-1.27) 33(-8.89,-1.27) 34(-11.43,-1.27) 35(11.43,1.27) 36(8.89,1.27) 37(-8.89,1.27) 38(-11.43,1.27) 39(11.43,3.81) 40(8.89,3.81) 41(-8.89,3.81) 42(-11.43,3.81) 43(11.43,6.35) 44(8.89,6.35) 45(6.35,6.35) 46(-6.35,6.35) 47(-8.89,6.35) 48(-11.43,6.35) 49(11.43,8.89) 50(8.89,8.89) 51(6.35,8.89) 52(3.81,8.89) 53(1.27,8.89) 54(-1.27,8.89) 55(-3.81,8.89) 56(-6.35,8.89) 57(-8.89,8.89) 58(-11.43,8.89) 59(11.43,11.43) 60(8.89,11.43) 61(6.35,11.43) 62(3.81,11.43) 63(1.27,11.43) 64(-1.27,11.43) 65(-3.81,11.43) 66(-6.35,11.43) 67(-8.89,11.43) 68(-11.43,11.43)
MountingHole_3.2mm_M3_Pad
  round 6.4 hole 3.2: 1(0,0)
Oscillator_DIP-8
  rect 1.6x1.6 hole 0.8: 1(0,0)
  round 1.6 hole 0.8: 4(7.62,0) 5(7.62,7.62) 8(0,7.62)
PinHeader_1x01_P2.54mm_Vertical
  rect 1.7x1.7 hole 1: 1(0,0)
PinHeader_1x02_P2.54mm_Vertical
  rect 1.7x1.7 hole 1: 1(0,0)
  oval 1.7x1.7 hole 1: 2(0,-2.54)
PinHeader_1x03_P2.54mm_Vertical
  rect 1.7x1.7 hole 1: 1(0,0)
  oval 1.7x1.7 hole 1: 2(0,-2.54) 3(0,-5.08)
PinHeader_1x06_P2.54mm_Vertical
  rect 1.7x1.7 hole 1: 1(0,0)
  oval 1.7x1.7 hole 1: 2(0,-2.54) 3(0,-5.08) 4(0,-7.62) 5(0,-10.16) 6(0,-12.7)
PinHeader_2x05_P2.54mm_Vertical
  rect 1.7x1.7 hole 1: 1(0,0)
  oval 1.7x1.7 hole 1: 2(2.54,0) 3(0,-2.54) 4(2.54,-2.54) 5(0,-5.08) 6(2.54,-5.08) 7(0,-7.62) 8(2.54,-7.62) 9(0,-10.16) 10(2.54,-10.16)
PinHeader_2x07_P2.54mm_Vertical
  rect 1.7x1.7 hole 1: 1(0,0)
  oval 1.7x1.7 hole 1: 2(2.54,0) 3(0,-2.54) 4(2.54,-2.54) 5(0,-5.08) 6(2.54,-5.08) 7(0,-7.62) 8(2.54,-7.62) 9(0,-10.16) 10(2.54,-10.16) 11(0,-12.7) 12(2.54,-12.7) 13(0,-15.24) 14(2.54,-15.24)
R_0805_2012Metric
  rrect 1.025x1.4 smd: 1(-0.912,0) 2(0.912,0)
R_Array_SIP9
  rect 1.6x1.6 hole 0.8: 1(0,0)
  oval 1.6x1.6 hole 0.8: 2(2.54,0) 3(5.08,0) 4(7.62,0) 5(10.16,0) 6(12.7,0) 7(15.24,0) 8(17.78,0) 9(20.32,0)
SOIC-14_3.9x8.7mm_P1.27mm
  rrect 1.95x0.6 smd: 1(-2.475,3.81) 2(-2.475,2.54) 3(-2.475,1.27) 4(-2.475,0) 5(-2.475,-1.27) 6(-2.475,-2.54) 7(-2.475,-3.81) 8(2.475,-3.81) 9(2.475,-2.54) 10(2.475,-1.27) 11(2.475,0) 12(2.475,1.27) 13(2.475,2.54) 14(2.475,3.81)
SOIC-16_3.9x9.9mm_P1.27mm
  rrect 1.95x0.6 smd: 1(-2.475,4.445) 2(-2.475,3.175) 3(-2.475,1.905) 4(-2.475,0.635) 5(-2.475,-0.635) 6(-2.475,-1.905) 7(-2.475,-3.175) 8(-2.475,-4.445) 9(2.475,-4.445) 10(2.475,-3.175) 11(2.475,-1.905) 12(2.475,-0.635) 13(2.475,0.635) 14(2.475,1.905) 15(2.475,3.175) 16(2.475,4.445)